# KiCad board IMU-2X.kicad_pcb (continued)
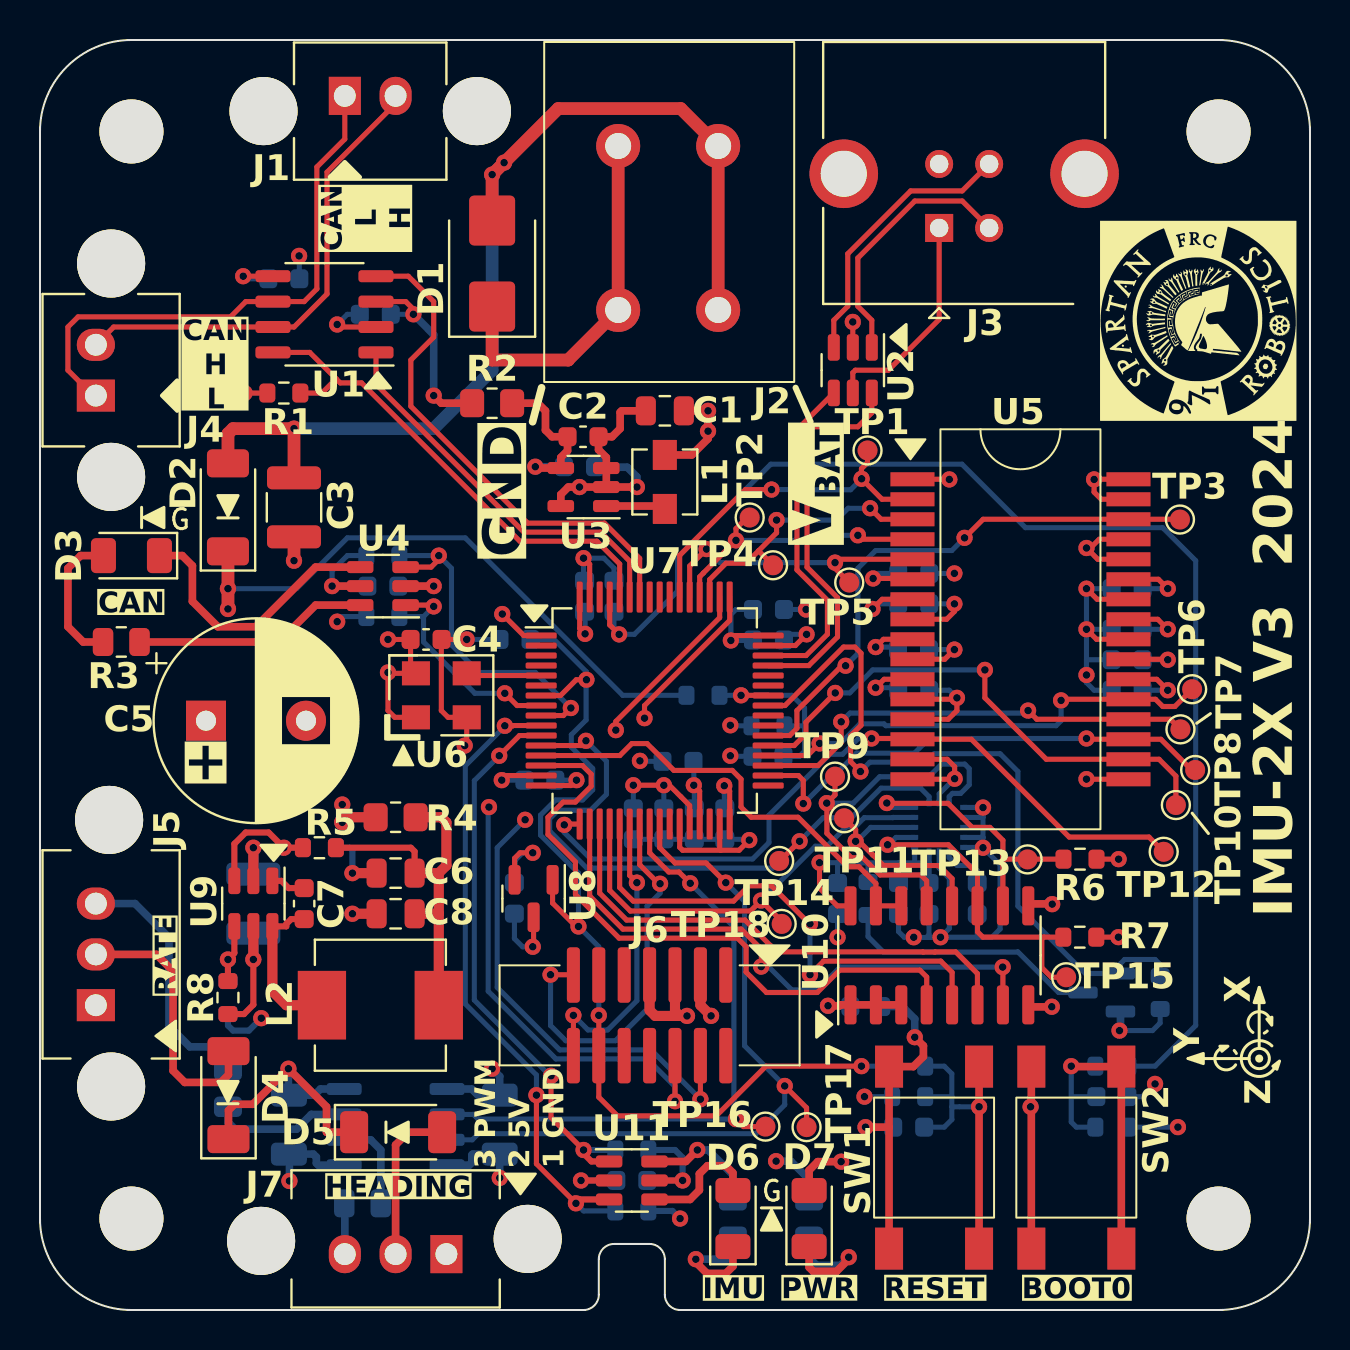
[diagram p0: board, top side]
## Footprints (pads in the part's own frame, mm; a bottom-side part is the same pattern mirrored in y, then rotated) (continued)
SOT-23
  rrect 1.475x0.6 smd: 1(-0.938,0.95) 2(-0.938,-0.95) 3(0.938,0)
SOT-23-5
  rrect 1.325x0.6 smd: 1(-1.137,0.95) 2(-1.137,0) 3(-1.137,-0.95) 4(1.137,-0.95) 5(1.137,0.95)
SOT-23-6
  rrect 1.325x0.6 smd: 1(-1.137,0.95) 2(-1.137,0) 3(-1.137,-0.95) 4(1.137,-0.95) 5(1.137,0) 6(1.137,0.95)
SW_ESWITCH_TL3301xxJ
  rect 1.4x2.1 smd: 1(-2.25,-4.55) 2(-2.25,4.55) 3(2.25,-4.55) 4(2.25,4.55)
TestPoint_Pad_D1.0mm
  round 1 smd: 1(0,0)
USB_B_TE_5787834_Vertical
  rect 1.4x1.4 hole 0.92: 1(0,0)
  round 1.4 hole 0.92: 2(-2.5,0) 3(-2.5,-3.2) 4(0,-3.2)
  round 3.429 hole 2.3: 5(-7.27,-2.71) 5(4.77,-2.71)
Wago-2604-3102
  round 2.2 hole 1.3: 1(0,0) 2(0,-5) 3(8.2,0) 4(8.2,-5)

## Nets
+3V3: C1.1 C4.1 C9.1 C12.1 C13.1 C16.1 C17.1 C18.1 C20.1 C23.1 C24.1 C27.1 C28.1 C29.1 C30.1 C37.1 C39.1 C40.1 C41.1 C44.1 J6.3 L1.1 Q1.2 R1.1 R4.1 R9.1 R15.1 R20.2 R22.1 R25.2 SW2.1 SW2.2 U1.5 U4.5 U5.6 U5.7 U5.22 U5.23 U6.1 U6.4 U7.16 U7.29 U7.32 U7.48 U7.64 U8.2 U10.1 U10.2 U10.3 U11.5 U13.1
+5V: C10.1 R2.1 U1.3
/PWM-Heading/5V_HDG: D5.2 J7.2
/PWM-Heading/5V_ISO: C42.1 D4.1 D5.1 U13.8
/PWM-Heading/5V_RATE: D4.2 J5.2
GND: C1.2 C2.2 C3.1 C4.2 C5.2 C6.2 C8.2 C9.2 C10.2 C11.2 C12.2 C13.2 C14.2 C15.2 C16.2 C17.2 C18.2 C19.2 C20.2 C21.2 C22.2 C23.2 C24.2 C25.2 C26.2 C27.2 C28.2 C29.2 C30.2 C31.2 C32.2 C33.2 C34.2 C35.2 C36.2 C37.2 C38.1 C39.2 C41.2 C43.2 C44.2 D1.1 D7.2 J2.2 J2.4 J3.4 J3.5 J6.5 J6.7 R6.2 R7.2 R10.2 R12.2 R13.1 R16.1 R21.2 R24.2 SW1.1 SW1.2 U1.2 U2.2 U3.2 U3.3 U3.5 U4.2 U5.1 U5.8 U5.10 U5.12 U5.13 U5.15 U5.16 U5.17 U5.24 U5.26 U5.28 U5.29 U5.31 U5.32 U6.2 U7.1 U7.15 U7.27 U7.31 U7.47 U7.63 U8.3 U9.2 U10.8 U10.9 U11.2 U12.7 U12.9 U12.10 U12.11 U12.12 U12.13 U12.15 U13.4
GND2: C42.2 J5.1 J7.1 U13.5
/CAN_H: J1.2 J4.2 U1.7
/CAN_L: J1.1 J4.1 U1.6
/FDCAN_RX: U1.4 U7.58
/FDCAN_STBY: R1.2 U1.8 U7.60
/FDCAN_TX: U1.1 U7.59
/FSYNC_TDK: TP9.1 U10.13 U12.8
/FSYNC_TDK_ST: U7.14 U10.4
/INT_TDK: TP14.1 U7.12 U12.6
/LED1_GRN: R10.1 U4.1 U7.8
/LED1_RED: R9.2 U4.3 U7.9
/LED2_GRN: R24.1 U7.10 U11.3
/LED2_RED: R22.2 U7.11 U11.1
/MISO_DUE: TP5.1 U5.5 U7.53
/MISO_TDK: TP18.1 U7.20 U12.4
/MISO_UNO: TP6.1 U5.21 U7.36
/MOSI_DUE: TP1.1 U5.2 U7.54
/MOSI_TDK: TP11.1 U10.12 U12.3
/MOSI_TDK_ST: U7.21 U10.5
/MOSI_UNO: TP10.1 U5.18 U7.37
/Power Supply/V_{BAT_MON}: C5.1 C38.2 D2.1 R8.2 R11.1 U9.5
/PWM_HEADING: TP17.1 U7.25 U13.3
/PWM_RATE: TP16.1 U7.24 U13.2
/SCK_DUE: TP2.1 U5.4 U7.52
/SCK_TDK: R7.1 TP15.1 U10.11 U12.2
/SCK_TDK_ST: U7.19 U10.6
/SCK_UNO: TP7.1 U5.20 U7.35
/ST_USB_D+: U2.4 U7.46
/ST_USB_D-: U2.6 U7.45
/T_SWCLK: J6.6 U7.50
/T_SWDIO: J6.4 U7.49
/T_VCP_RX: J6.13 U7.23
/T_VCP_TX: J6.14 U7.22
/TDK_PWR_EN: Q1.1 R15.2 U7.41
/USB_D+: J3.3 U2.3
/USB_D-: J3.2 U2.1
/V_{BAT}: C3.2 D1.2 D2.2 J2.1 J2.3
/~{CS_DUE}: TP4.1 U5.3 U7.51
/~{CS_TDK_ST}: U7.18 U10.7
/~{CS_TDK}: R6.1 TP13.1 U10.10 U12.5
/~{CS_UNO}: TP8.1 U5.19 U7.34
/~{RESET_DUE}: TP3.1 U5.30 U7.38
/~{RESET_UNO}: TP12.1 U5.14 U7.17
/~{T_NRST}: C21.1 J6.12 R18.2 U7.7 U8.1
/~{TDK_EN}: U7.13 U10.14 U10.15
Net-(C6-Pad1): C6.1 C8.1 L2.2 R4.2 R5.2
Net-(C40-Pad2): C40.2 R17.1 R21.1 SW2.3 SW2.4
Net-(C43-Pad1): C43.1 R18.1 R20.1 SW1.3 SW1.4
Net-(D3-AK): D3.2 R3.1
Net-(D3-KA): D3.1 U4.4
Net-(D6-AK): D6.2 U11.4
Net-(D6-KA): D6.1 R26.1
Net-(D7-KA): D7.1 R25.1
Net-(J3-VBUS): J3.1 U2.5
Net-(J5-Pin_3): J5.3 R19.1
Net-(J7-Pin_3): J7.3 R23.1
Net-(Q1-D): Q1.3 R14.2
Net-(R3-Pad2): R3.2 U4.6
Net-(R19-Pad2): R19.2 U13.7
Net-(R23-Pad2): R23.2 U13.6
Net-(R26-Pad2): R26.2 U11.6
Net-(U3-SW): L1.2 U3.1
Net-(U3-VOUT): C2.1 C11.1 R2.2 U3.4
Net-(U5-VDDA-DUE): C14.1 U5.27
Net-(U5-VDDA-UNO): C25.1 U5.11
Net-(U5-VDDD-DUE): C22.1 U5.9
Net-(U5-VDDD-UNO): C19.1 U5.25
Net-(U6-OUT): U6.3 U7.5
Net-(U7-PA8/ADC5_IN1): C26.1 R11.2 R12.1 U7.42
Net-(U7-PB8/BOOT0): C15.1 R17.2 U7.61
Net-(U7-VREF+/VREFBUF_OUT): C31.1 C32.1 U7.28
Net-(U9-CB): C7.1 U9.1
Net-(U9-EN): R8.1 R16.2 U9.4
Net-(U9-FB): R5.1 R13.2 U9.3
Net-(U9-SW): C7.2 L2.1 U9.6
Net-(U10-VCCB): C34.1 C35.1 C36.1 R14.1 U10.16 U12.1 U12.16
Net-(U12-REGOUT): C33.1 U12.14

Pads without a net: J6 1 2 8 9 10 11; U7 2 3 4 6 26 30 33 39 40 43 44 55 56 57 62

## Via types
v1: diameter 0.813, hole 0.381, Top to Bottom, 168 vias

## Routing (per net, layer and track width the routed paths; a pad name or vN(x,y) marks a point on that pad's centre or on a via; arc(x,y) is an arc through that point)
+3V3: length 99.1
  Top w0.254: U5.22 55.84,31.54 v1(56.39,30.99) ; v1(41.63,35.05) 42.11,35.54 U5.7 ; U7.29 32.98,25.94 v1(32.69,26.24) ; U5.6 43.58,36.58 v1(41.66,36.58) ; v1(17.4,33.53) C4.1 18.53,32.1 U6.4 17.44,31.83 v1(17.4,31.88) 17.4,29.97 17.74,29.63 U6.1 ; v1(10.23,45.85) R1.1 ; U1.5 v1(10.16,51.69) ; v1(26.82,26.49) 26.55,26.22 U7.16 ; U5.23 56.36,32.54 v1(56.39,32.51) ; v1(34.21,26.21) 34.48,25.94 U7.32 ; U8.2 23.73,22.59 24,22.86 v1(24.64,22.86) ; v1(34.54,33.48) 34.79,33.72 U7.48 ; U7.64 26.98,34.08 v1(27.25,33.81)
  Top w0.305: U11.5 v1(32.13,6.48)
  Top w0.381: v1(39.4,15.21) 39.98,15.21 40.02,15.26 43.07,15.26 ; L1.1 32.59,42.75 33.4,43.56 v1(33.4,43.94) v1(33.4,44.96) C1.1 ; SW2.1 49.57,10.12 v1(49.53,10.16) 49.57,10.2 SW2.2 ; U4.5 v1(14.61,36.2)
  Top w0.508: v1(33.55,14.71) 33.02,15.24 J6.3 ; v1(15.11,25.27) v1(15.11,24.38) 15.37,24.64 R4.1
  Bottom w0.254: v1(27.25,33.81) 27.25,34.89 C16.1 ; C20.1 35.62,33.48 v1(34.54,33.48) 34.54,34.77 34.8,35.03 C18.1 ; v1(10.16,51.69) 10.29,51.56 11.42,51.56 ; v1(14.61,36.2) 14.61,36.96 15.37,37.72 R9.1 ; v1(34.21,26.21) 34.21,25.08 ; v1(55.75,11.3) 55.12,10.67 C40.1 ; C30.1 32.72,26.21 v1(32.69,26.24) 32.69,27.42 C27.1 ; v1(53.98,13.97) 55.63,13.97 56.01,14.35 R15.1 ; v1(24.64,22.86) 24.13,22.86 23.75,22.48 23.75,21.4 C37.1 ; v1(56.39,30.99) C24.1 ; v1(41.66,36.58) 41.91,36.83 C12.1 ; v1(41.22,10.67) R20.2 ; v1(41.63,35.05) 41.88,35.31 C17.1 ; C28.1 v1(26.82,26.49) ; v1(56.39,32.51) C23.1
  Bottom w0.305: C13.1 v1(14.61,36.2) ; R22.1 31.75,8 32.13,7.62 v1(32.13,6.48) C44.1
  Bottom w0.381: C39.1 40.48,15.21 v1(39.4,15.21) ; v1(36.8,7.44) 37.54,7.44 38.46,6.53 R25.2 ; U13.1 21.59,11.05 21.89,10.75 C41.1 22.99,11.68 v1(22.61,12.07) ; Q1.2 54.02,14.02 v1(53.98,13.97)
+5V: length 10
  Top w0.254: v1(18.67,49.78) 18.67,50.04 18.29,50.42 U1.3
  Top w0.381: R2.1 20.07,45.34 v1(19.69,45.72)
  Bottom w0.254: C10.1 v1(18.67,49.78)
  Bottom w0.381: v1(18.67,49.78) 19.69,48.77 v1(19.69,45.72)
/PWM-Heading/5V_HDG: length 8.1
  Top w0.381: D5.2 18.42,8.89 17.78,8.26 J7.2
/PWM-Heading/5V_ISO: length 14.9
  Top w0.381: D5.1 14.33,8.89 14.33,10.16 v1(12.42,12.07) 10.64,10.29 9.73,10.29 9.42,9.98 D4.1
  Bottom w0.381: U13.8 14.02,11.05 13.72,10.74 12.45,10.74 C42.1 12.42,10.77 v1(12.42,12.07)
/PWM-Heading/5V_RATE: length 13.5
  Top w0.381: D4.2 9.42,11.76 9.04,11.38 7.24,11.38 6.65,11.96 6.65,16.94 5.82,17.78 J5.2
GND: length 216.3
  Top w0.254: v1(27.18,37.59) 27.48,37.29 U7.63 ; U5.15 45.36,27.54 45.73,27.17 v1(45.73,26.56) 45.7,26.54 U5.16 ; v1(21.34,33.53) 20.08,33.53 20.07,33.52 20.07,29.97 20.4,29.63 U6.2 21.34,28.32 v1(21.23,28.22) ; v1(52.32,26.54) 52.33,26.54 U5.17 ; U5.29 52.96,38.54 52.52,38.1 v1(52.32,38.1) 52.89,37.54 U5.28 ; U7.1 24.19,33.72 v1(23.11,34.8) ; v1(52.32,36.07) 52.86,35.54 U5.26 ; v1(45.72,35.31) 45.72,34.93 45.33,34.54 U5.8 ; U2.2 v1(40.64,49.4) ; v1(52.32,34.04) 52.82,33.54 U5.24 ; U5.31 53.06,40.54 52.71,40.89 v1(52.71,41.53) 52.71,41.54 U5.32 ; v1(38.33,33.78) 37.77,33.22 U7.47 ; R7.2 v1(53.92,18.64) ; v1(14.86,49.28) 14.99,49.15 U1.2 ; 34.04,22.99 32.13,22.99 31.98,23.13 U7.27 ; 34.04,22.99 33.98,23.04 U7.31 ; 34.04,22.99 34.96,22.99 v1(35.46,23.5) ; R6.2 v1(53.93,22.54) ; v1(45.72,33.02) 45.24,32.54 U5.10 ; U5.13 45.41,29.54 45.85,29.97 v1(45.85,30.61) 45.78,30.54 U5.12 ; v1(24.64,18.16) 24.68,18.2 U8.3 ; U7.15 23.32,26.72 v1(23.09,26.49) ; v1(45.47,41.53) 45.46,41.54 U5.1
  Top w0.305: U11.2 v1(27.05,6.48)
  Top w0.381: v1(40.06,7.42) 38.89,7.42 38.46,6.99 D7.2 ; C1.2 29.08,44.96 29.01,44.88 29.01,44.07 28.6,43.66 C2.2 27.93,43.01 28.32,42.63 U3.3 U3.2 ; 42.45,9.14 SW1.1 ; 42.45,9.14 v1(41.28,9.14) ; 42.45,9.14 SW1.2 43.67,12.17 44.17,12.67 44.17,13.21 v1(43.74,13.64) ; 49.42,20.31 50.6,20.31 v1(50.61,20.29) ; U3.2 v1(26.97,41.15) 26.42,41.15 26.04,40.77 U3.5 ; U3.2 v1(29.85,41.15) ; v1(50.59,15.16) 50.59,15.16 49.42,15.16 ; U4.2 v1(19.69,36.2)
  Top w0.508: J6.7 30.48,14.99 30.76,14.7 v1(32.35,14.7) 31.99,14.7 31.75,14.94 J6.5 ; U9.2 v1(10.67,23.11) ; C6.2 v1(15.62,21.84) ; C8.2 v1(15.62,19.81)
  Top w0.635: J2.2 J2.4 26.42,47.51 26.42,47.5 22.61,47.5 D1.1 ; C3.1 v1(12.7,37.47)
  Bottom w0.254: v1(34.52,27.71) 34.54,27.69 C26.2 ; 47.15,24.64 v1(47.15,25.12) 47.14,25.13 U12.9 ; 47.15,24.64 47.14,24.63 U12.10 ; 47.15,24.64 47.15,24.13 ; 44.32,18.63 44.45,18.75 C34.2 ; 44.32,18.63 43.7,18.63 v1(43.69,18.64) 43.21,18.64 42.93,18.92 C35.2 ; 44.32,18.63 45.01,18.63 v1(45.02,18.64) ; C17.2 v1(45.72,35.31) ; v1(12.95,52.71) 12.97,52.69 C9.2 ; v1(30,27.46) 30.02,27.43 C27.2 ; C20.2 37.48,33.78 v1(38.33,33.78) ; v1(52.32,34.04) v1(52.32,36.07) C14.2 ; v1(52.32,34.04) C19.2 ; v1(52.32,34.04) v1(52.32,31.75) ; C15.2 28.7,37.08 28.19,37.59 v1(27.18,37.59) 27.18,36.51 C16.2 ; U12.15 44.96,22.09 45.47,21.59 45.47,19.08 v1(45.02,18.64) ; C10.2 15.37,49.78 v1(14.86,49.28) ; v1(34.52,29.24) 34.54,29.21 R12.2 ; 47.15,23.62 47.14,23.63 U12.12 ; 47.15,23.62 47.15,24.13 ; 47.15,23.62 v1(47.15,23.11) ; C33.2 46.86,18.64 ; 46.86,18.64 v1(45.02,18.64) ; 46.86,18.64 47.59,18.64 48.01,19.05 48.01,22.26 v1(47.15,23.11) ; v1(45.73,26.56) 45.72,26.56 44.96,25.81 U12.7 ; C24.2 52.71,30.99 52.32,31.37 v1(52.32,31.75) ; C43.2 v1(41.28,9.14) ; v1(52.32,31.75) 52.32,32.51 C23.2 ; C21.2 v1(21.34,33.53) ; C37.2 23.72,18.57 24.13,18.16 v1(24.64,18.16) ; v1(47.15,23.11) 47.13,23.13 U12.13 ; C32.2 C31.2 C30.2 C29.2 ; C25.2 45.47,30.99 v1(45.85,30.61) ; v1(35.46,23.5) 35.43,23.53 34.21,23.53 ; C18.2 v1(38.3,35.03) ; v1(23.09,26.49) C28.2 ; C36.2 v1(39.88,18.64) ; 47.15,24.13 U12.11 ; C12.2 v1(45.72,36.83) ; v1(45.72,33.02) C22.2 ; R10.2 15.11,34.67 v1(14.86,34.42) ; R21.2 v1(56.9,9.14)
  Bottom w0.305: C13.2 v1(19.69,36.2) ; v1(32,4.57) 31.62,4.95 R24.2 ; v1(11.06,14.59) 10.44,13.97 9.65,13.97 9.4,14.22 R16.1 ; v1(27.05,6.48) C44.2 ; v1(15.62,21.84) 15.62,22.99 15.49,23.11 R13.1
  Bottom w0.381: C39.2 43.12,15.17 43.74,14.55 v1(43.74,13.64) ; U13.4 21.46,7.24 21.59,7.37 21.59,7.75 21.64,7.8 C41.2 v1(22.99,6.6) ; v1(29.85,41.15) 29.85,41.66 29.36,42.14 27.75,42.14
  Bottom w0.508: v1(10.67,23.11) C38.1
GND2: length 4.5
  Bottom w0.381: U13.5 13.92,7.24 13.82,7.34 13.82,7.65 13.67,7.8 C42.2 12.47,7.77 v1(12.47,6.45)
/CAN_H: length 23.9
  Top w0.254: J1.2 17.78,60.32 14.35,56.89 14.35,50.8 12.7,49.15 U1.7 3.68,49.15 J4.2
/CAN_L: length 27.5
  Top w0.254: J4.1 2.67,45.72 1.4,46.99 1.4,49.15 1.91,49.66 9.53,49.66 10.29,50.42 U1.6 13.21,50.42 13.84,51.05 13.84,57.15 15.24,58.55 J1.1
/FDCAN_RX: length 25.6
  Top w0.254: U1.4 18.42,51.69 19.69,50.42 19.69,48.64 18.54,47.5 18.54,45.19 24.38,39.34 28.22,39.34 29.98,37.58 U7.58
/FDCAN_STBY: length 25.5
  Top w0.254: U7.60 28.98,37.3 27.84,38.44 23.99,38.44 16.08,46.36 15.01,46.36 14.81,46.56 ; 13.02,45.85 14.1,45.85 14.81,46.56 ; 14.81,46.56 13.49,47.88 U1.8
/FDCAN_TX: length 19.7
  Top w0.254: U7.59 29.48,37.44 28.03,38.89 24.2,38.89 16.8,46.29 U1.1
/FSYNC_TDK: length 20.5
  Top w0.254: TP9.1 39.75,25.76 v1(39.34,25.34) 39.34,25.34 39.34,23.84 40.57,22.61 41.14,22.61 41.45,22.3 41.46,22.3 42.01,21.75 44.04,21.75 44.34,21.46 44.34,20.31
  Bottom w0.254: v1(39.34,25.34) 40.66,25.34 41.98,26.66 44.44,26.66 45.07,27.29 46.24,27.29 46.46,27.07 46.46,26.26 46.03,25.83 45.62,25.83 45.46,25.67 U12.8
/FSYNC_TDK_ST: length 32.9
  Top w0.254: 44.34,15.16 44.34,16.65 43.99,16.99 39.98,16.99 38.86,15.88 36.32,15.88 35.31,16.89 35.31,18.16 34.87,18.59 28.96,18.59 26.77,20.78 26.77,22.4 25.4,23.77 25.4,24.64 26.16,25.4 26.77,25.4 27.56,26.19 27.56,26.79 27.13,27.22 25.06,27.22 U7.14
/INT_TDK: length 32.7
  Top w0.254: v1(27.3,28.46) 27.06,28.22 U7.12 ; TP14.1 37,22.45 v1(37.98,23.44)
  Bottom w0.254: U12.6 44.46,25.66 44.03,26.09 42.05,26.09 40.58,24.62 40.13,24.62 40.13,24.61 39.16,24.61 36.64,22.1 27.34,22.1 25.48,23.95 25.48,24.56 25.91,24.99 27.53,24.99 28.32,25.78 28.32,27.44 v1(27.3,28.46)
/LED1_GRN: length 11.8
  Top w0.254: U4.1 19.62,35.25 v1(19.69,35.18) ; U7.8 23.86,30.22 v1(23.24,30.84)
  Bottom w0.254: 19.18,34.67 19.18,33.4 21.74,30.84 v1(23.24,30.84) ; 19.18,34.67 R10.1 ; 19.18,34.67 v1(19.69,35.18)
/LED1_RED: length 17.6
  Top w0.254: U7.9 26.17,29.72 v1(26.54,30.1) ; U4.3 19.56,37.15 19.94,37.53 v1(19.94,37.72)
  Bottom w0.254: R9.2 v1(19.94,37.72) 20.57,37.08 20.57,33.26 21.95,31.88 24.77,31.88 v1(26.54,30.1)
/LED2_GRN: length 32.7
  Top w0.254: U7.10 23.66,29.22 23.65,29.21 v1(23.24,29.21) ; v1(24.82,10.74) 24.82,7.31 v1(26.8,5.33)
  Top w0.305: v1(26.8,5.33) 26.99,5.53 U11.3
  Bottom w0.254: v1(24.82,10.74) 24.82,11.75 21.26,15.31 21.26,27.21 23.24,29.18 v1(23.24,29.21) ; R24.1 27.18,4.95 v1(26.8,5.33)
/LED2_RED: length 28.2
  Top w0.254: v1(27.18,8) 25.55,9.63 v1(25.55,11.71) ; U7.11 23.97,28.72 v1(22.96,27.71)
  Top w0.305: U11.1 27.57,7.43 27.18,7.82 v1(27.18,8)
  Bottom w0.254: v1(25.55,11.71) 25.5,11.71 21.72,15.49 21.72,26.47 v1(22.96,27.71)
  Bottom w0.305: R22.2 v1(27.18,8)
/MISO_DUE: length 14.7
  Top w0.254: TP5.1 39.75,37.08 v1(39.75,37.37) 39.92,37.54 U5.5 ; v1(33.33,38.05) 32.48,37.2 U7.53
  Bottom w0.254: v1(33.33,38.05) 34.01,37.37 v1(39.75,37.37)
/MISO_TDK: length 22.5
  Top w0.254: TP18.1 37.08,19.44 v1(36.05,20.47) 35.53,19.95 29.52,19.95 28.48,20.98 U7.20
  Bottom w0.254: v1(36.05,20.47) 38.77,23.19 39.34,23.19 40.32,24.17 40.76,24.17 41.22,24.62 42.65,24.62 42.66,24.63 U12.4
/MISO_UNO: length 23.5
  Top w0.254: v1(51.05,30.48) 51.11,30.54 U5.21 55.78,30.54 56.14,30.18 56.74,30.18 TP6.1 ; U7.36 38.37,27.72 v1(38.98,28.33)
  Bottom w0.254: v1(38.98,28.33) 40.01,28.33 40.99,29.31 42.2,29.31 42.29,29.21 50.8,29.21 51.05,29.46 v1(51.05,30.48)
/MOSI_DUE: length 17.3
  Top w0.254: v1(36.58,41.02) 35.27,41.02 31.98,37.74 U7.54 ; U5.2 42.1,40.54 v1(41.08,41.56) 41.07,41.57 41.07,42.06 41.38,42.37 TP1.1
  Bottom w0.254: v1(36.58,41.02) 37.72,41.02 37.73,41.01 40.53,41.01 v1(41.08,41.56)
/MOSI_TDK: length 11.5
  Top w0.254: 45.61,20.31 45.61,21.57 44.95,22.22 44.25,22.22 44.24,22.23 42.16,22.23 41.65,22.75 41.64,22.75 40.96,23.43 v1(40.78,23.43) 40.78,24.01 TP11.1
  Bottom w0.254: U12.3 41.53,24.13 40.84,23.43 v1(40.78,23.43)
/MOSI_TDK_ST: length 26
  Top w0.254: v1(38.5,16.77) 39.18,17.44 45.04,17.44 45.61,16.88 45.61,15.16 ; v1(38.5,19.31) 38.47,19.31 36.58,21.21 35.44,21.21 34.68,20.45 29.66,20.45 28.98,21.12 U7.21
  Bottom w0.254: v1(38.5,19.31) v1(38.5,16.77)
/MOSI_UNO: length 26.8
  Top w0.254: U7.37 37.71,28.22 38.3,28.81 38.3,29.39 v1(39.76,30.85) ; TP10.1 56.79,26.7 55.95,27.54 U5.18 50.32,27.54 47.24,30.61 v1(47.24,32)
  Bottom w0.254: v1(47.24,32) 41.64,32 40.49,30.85 v1(39.76,30.85)
/Power Supply/V_{BAT_MON}: length 36.8
  Top w0.305: R8.2 10.2,14.8 10.67,15.27 v1(10.67,17.53)
  Top w0.508: U9.5 v1(10.67,17.53)
  Top w0.635: D2.1 v1(9.4,35.05)
  Bottom w0.254: v1(9.4,36.07) 12.83,36.07 15.37,38.61 21.26,38.61 29.13,30.73 R11.1
  Bottom w0.508: C38.2 v1(10.67,17.53)
/PWM_HEADING: length 37.7
  Top w0.254: v1(34.29,21.37) 33.31,22.35 31.75,22.35 30.98,23.12 U7.25 ; v1(37.24,11.2) 38.33,10.11 TP17.1
  Bottom w0.254: v1(34.29,21.37) 35.23,20.43 35.23,13.21 v1(37.24,11.2) 37.24,10.26 35.79,8.81 21.92,8.81 21.62,8.51 U13.3
/PWM_RATE: length 33
  Top w0.254: U7.24 30.48,22.86 31.44,21.9 31.95,21.9 v1(32.51,21.34) ; TP16.1 35.17,9.17 v1(34.8,9.54)
  Bottom w0.254: v1(32.51,21.34) 34.7,19.15 34.7,9.65 v1(34.8,9.54) 33.71,9.54 33.71,9.55 21.89,9.55 21.67,9.78 U13.2
/SCK_DUE: length 14.1
  Top w0.254: U5.4 41.09,38.54 v1(40.89,38.74) ; TP2.1 35.36,39.62 34.8,39.07 v1(34.8,38.48) 33.17,36.85 33.17,36.85 32.98,36.66 U7.52
  Bottom w0.254: v1(40.89,38.74) 39.62,38.74 39.37,38.48 v1(34.8,38.48)
/SCK_TDK: length 16.8
  Top w0.254: TP15.1 50.57,16.64 50.09,17.12 50.09,18.54 50.19,18.64 ; 50.19,18.64 R7.1 ; 50.19,18.64 47.14,18.64 46.88,18.91 U10.11 ; 46.88,20.31 46.88,21.81 45.42,23.26 v1(42.38,23.26)
  Bottom w0.254: U12.2 42.8,23.63 42.43,23.26 v1(42.38,23.26)
/SCK_TDK_ST: length 25.7
  Top w0.254: 46.87,15.16 46.87,16.82 45.79,17.91 44.76,17.91 44.75,17.9 44.15,17.9 44.14,17.91 36.83,17.91 36.52,18.22 36.52,18.23 35.25,19.5 29.33,19.5 27.98,20.84 U7.19
/SCK_UNO: length 22.7
  Top w0.254: TP7.1 56.52,29.54 U5.20 49.84,29.54 v1(49.4,29.97) ; U7.35 38.91,27.22 40.06,28.38 v1(40.06,29.41)
  Bottom w0.254: v1(40.06,29.41) 40.5,29.85 49.28,29.85 v1(49.4,29.97)
/ST_USB_D+: length 16.9
  Top w0.254: U2.4 37.85,44.01 37.85,37.01 39.37,35.48 39.37,33.79 38.3,32.72 U7.46
/ST_USB_D-: length 19.6
  Top w0.254: U7.45 36.41,32.22 38.44,32.22 39.88,33.66 39.88,35.62 38.35,37.14 38.35,43.88 38.64,44.16 40.89,44.16 41.59,44.86 U2.6
/T_SWCLK: length 40.3
  Top w0.254: v1(31.75,10.44) J6.6 ; U7.50 33.98,34.62 28.79,29.43 v1(28.79,28.99)
  In2.Cu w0.254: v1(22.45,25.15) 23.46,25.15 26,27.69 27.56,27.69 28.79,28.92 v1(28.79,28.99)
  Bottom w0.254: v1(22.45,25.15) 22.41,25.11 22.41,15.94 25.8,12.55 30.37,12.55 31.75,11.17 v1(31.75,10.44)
/T_SWDIO: length 40.1
  Top w0.254: v1(33.02,10.54) J6.4 ; v1(30.23,29.59) 30.23,30.22 34.48,34.48 U7.49
  In2.Cu w0.254: v1(24.26,24.51) 24.26,25.31 26.19,27.23 28.07,27.23 30.23,29.39 v1(30.23,29.59)
  Bottom w0.254: v1(24.26,24.51) 22.86,23.11 22.86,16.13 25.98,13 30.56,13 v1(33.02,10.54)
/T_VCP_RX: length 19.5
  Top w0.254: v1(25.53,16.76) 26.65,16.76 J6.13 ; U7.23 29.98,22.26 30.93,21.31 v1(31,21.31)
  Bottom w0.254: v1(25.53,16.76) 25.53,14.22 26.29,13.46 28.77,13.46 30.35,15.04 30.35,20.19 31,20.84 v1(31,21.31)
/T_VCP_TX: length 15.1
  Top w0.254: U7.22 29.48,21.73 v1(29.85,21.37) ; v1(26.67,14.73) J6.14
  Bottom w0.254: v1(29.85,21.37) 29.85,15.47 28.38,14 27.4,14 v1(26.67,14.73)
/TDK_PWR_EN: length 37.4
  Top w0.254: U7.41 37.25,30.22 40.17,33.15 40.75,33.15 41.05,32.84 41.05,29.23 40.53,28.71 40.53,27.42 v1(41.02,26.92)
  Bottom w0.254: R15.2 56.01,17.27 55.75,17.53 54.23,17.53 54.02,17.32 54.02,16.83 52.26,16.83 48.9,20.19 48.9,26.92 48.01,27.81 44.7,27.81 44.28,27.39 41.49,27.39 v1(41.02,26.92)
/USB_D+: length 13.9
  Top w0.254: J3.3 46.11,55.95 43.53,55.95 40.39,52.81 40.39,50.19 39.69,49.49 U2.3
/USB_D-: length 13.1
  Top w0.254: J3.2 46.11,55.45 43.74,55.45 40.89,52.6 40.89,50.19 41.59,49.49 U2.1
/V_{BAT}: length 53
  Top w0.635: D2.2 9.4,43.82 9.65,44.07 v1(12.7,44.07) 12.7,41.61 ; J2.3 J2.1 32.04,60.07 25.91,60.07 v1(22.61,56.77) D1.2
  Bottom w0.635: v1(12.7,44.07) 19.69,44.07 22.61,46.99 v1(22.61,56.77) v1(23.2,57.37)
/~{CS_DUE}: length 14.1
  Top w0.254: U5.3 42.06,39.54 v1(41.51,40.09) ; 35.93,37.96 36.83,38.86 v1(36.83,39.5) ; 35.93,37.96 35.31,37.34 34.3,37.34 33.48,36.52 U7.51 ; 35.93,37.96 TP4.1
  Bottom w0.254: v1(36.83,39.5) 39.82,39.5 40.41,40.09 v1(41.51,40.09)
/~{CS_TDK_ST}: length 29.1
  Top w0.254: U7.18 27.48,20.7 29.14,19.04 35.06,19.04 36.07,18.04 36.07,17.18 v1(36.06,17.17) ; 48.15,15.26 48.15,17.13 v1(48.13,17.15)
  Bottom w0.254: v1(36.06,17.17) 36.42,17.17 37.59,16 38.86,16 40.01,17.15 v1(48.13,17.15)
/~{CS_TDK}: length 14.3
  Top w0.254: v1(42.34,25.35) 42.36,25.33 45.41,25.33 46.61,24.13 47.5,24.13 48.15,23.48 48.15,22.53 ; 48.15,22.53 48.15,20.31 ; 48.15,22.53 48.16,22.54 51.18,22.54
  Bottom w0.254: v1(42.34,25.35) 42.56,25.13 U12.5
/~{CS_UNO}: length 24.6
  Top w0.254: v1(38.17,25.32) 38.17,26.48 37.92,26.72 U7.34 ; TP8.1 57.58,27 56.05,28.54 U5.19 52.36,28.54 v1(52.32,28.58)
  Bottom w0.254: v1(38.17,25.32) 38.17,25.32 39.47,26.62 39.6,26.62 40.83,27.84 43.72,27.84 44.45,28.58 v1(52.32,28.58)
/~{RESET_DUE}: length 28.1
  Top w0.254: v1(40.28,32.21) 40.09,32.21 37.85,29.97 37.85,29.08 37.49,28.72 U7.38 ; v1(46.23,38.61) 47.16,39.54 U5.30 56.98,39.54 TP3.1
  Bottom w0.254: v1(40.28,32.21) 40.89,32.83 40.89,37.08 41.78,37.97 45.59,37.97 v1(46.23,38.61)
/~{RESET_UNO}: length 37.3
  Top w0.254: U7.17 26.25,24.3 v1(26.21,24.26) ; TP12.1 55.45,23.65 51.46,23.65 46.57,28.54 U5.14 43.58,28.58 v1(41.58,28.58)
  Bottom w0.254: v1(26.21,24.26) 26.21,23.88 27.54,22.55 35.63,22.55 36.45,23.37 36.45,24.74 39.5,27.79 40.13,27.79 40.92,28.58 v1(41.58,28.58)
/~{T_NRST}: length 50.2
  Top w0.254: v1(41.07,12.19) 36.3,12.19 33.81,9.71 28.87,9.71 27.94,10.64 J6.12 v1(27.94,14.73) ; U7.7 26.02,30.72 26.81,31.51 v1(27.32,31.51) ; v1(26.92,19.18) 26.8,19.18 25.63,20.34 U8.1
  Bottom w0.254: C21.1 25.7,33.53 27.32,31.91 v1(27.32,31.51) 27.31,31.5 27.31,29.5 26.57,28.76 26.57,28.14 27.64,27.08 27.64,26.01 27.13,25.5 25.78,25.5 25.03,24.75 25.03,23.74 26.92,21.84 v1(26.92,19.18) 27.94,18.16 v1(27.94,14.73) ; v1(41.07,12.19) R18.2
/~{TDK_EN}: length 23
  Top w0.254: 41.8,20.31 41.8,21.32 41.28,21.84 41.27,21.84 40.95,22.16 40.38,22.16 37.9,24.64 35.56,24.64 35.05,25.15 35.05,26.54 34.62,26.98 31.69,26.98 30.35,28.32 29.59,28.32 28.99,27.72 U7.13 ; U10.14 U10.15
Net-(C6-Pad1): length 18.5
  Top w0.305: C6.1 18.73,22.93 18.54,23.11 R5.2
  Top w0.508: L2.2 19.94,19.81 ; 19.94,19.81 19.94,21.84 ; 19.94,19.81 C8.1 ; 19.94,21.84 C6.1 ; 19.94,21.84 20.32,22.23 20.32,24.38 20.07,24.64 R4.2
Net-(C40-Pad2): length 18.2
  Top w0.381: SW2.3 SW2.4 51.58,12.17 v1(51.56,12.19)
  Bottom w0.254: 51.56,10.67 v1(51.56,12.19) R17.1 ; 51.56,10.67 C40.2 ; 51.56,10.67 51.56,9.4 51.82,9.14 R21.1
Net-(C43-Pad1): length 17.1
  Top w0.381: SW1.4 v1(46.95,10.16) SW1.3
  Bottom w0.254: 45.59,10.16 v1(46.95,10.16) ; 45.59,10.16 45.59,10.67 ; 45.59,10.16 45.59,9.53 45.21,9.14 C43.1 ; 45.59,10.67 R20.1 ; 45.59,10.67 45.59,11.81 45.21,12.19 R18.1
Net-(D3-AK): length 7
  Top w0.381: R3.1 2.16,33.4 1.4,34.16 1.4,37.08 2.03,37.72 D3.2
Net-(D3-KA): length 13.8
  Top w0.381: U4.4 13.78,37.15 10.8,34.16 8.89,34.16 7.62,35.43 7.62,37.21 7.11,37.72 D3.1
Net-(D6-AK): length 6.1
  Top w0.381: D6.2 34.65,6.86 34.29,7.21 33.38,7.21 32.97,6.81 32.97,5.99 32.5,5.53 U11.4
Net-(D6-KA): length 6.2
  Top w0.381: v1(32.79,2.54) 32.79,2.39 33.35,1.83 34.29,1.83 34.65,2.18 D6.1
  Bottom w0.381: R26.1 34.65,2.84 34.34,2.54 v1(32.79,2.54)
Net-(D7-KA): length 6.8
  Top w0.381: D7.1 38.46,2.13 38.66,1.93 39.83,1.93 40.44,2.54 v1(40.44,2.64)
  Bottom w0.381: R25.1 38.46,2.62 38.84,2.24 40.03,2.24 v1(40.44,2.64)
Net-(J3-VBUS): length 11
  Top w0.254: J3.1 44.96,49.53 42.42,46.99 40.77,46.99 40.64,46.86 U2.5
Net-(J5-Pin_3): length 13.1
  Bottom w0.381: J5.3 4.75,20.32 6.45,18.62 6.45,14.2 7.49,13.16 8.99,13.16 9.4,12.75 R19.1
Net-(J7-Pin_3): length 2.5
  Bottom w0.381: J7.3 15.24,5.31 R23.1
Net-(Q1-D): length 13
  Bottom w0.254: R14.2 41.4,18.67 42.17,17.9 48.88,17.9 48.9,17.91 50.93,15.88 Q1.3
Net-(R3-Pad2): length 11.8
  Top w0.381: R3.2 11.94,33.4 13.78,35.25 U4.6
Net-(R19-Pad2): length 7
  Bottom w0.381: U13.7 13.56,9.78 12.83,9.04 9.75,9.04 9.4,9.4 R19.2
Net-(R23-Pad2): length 4.7
  Bottom w0.381: U13.6 16.54,8.51 17.04,8 R23.2
Net-(R26-Pad2): length 5.9
  Top w0.381: U11.6 32.29,7.43 v1(32.87,8)
  Bottom w0.381: v1(32.87,8) 33.4,8 34.65,6.76 R26.2
Net-(U3-SW): length 3
  Top w0.381: L1.2 31.1,40.2 U3.1
Net-(U3-VOUT): length 8.5
  Top w0.381: v1(24.77,42.16) 24.83,42.1 U3.4 26.04,42.63 26.38,42.96 C2.1 25.6,43.66 25.27,43.99 25.27,44.96 24.89,45.34 R2.2
  Bottom w0.381: v1(24.77,42.16) 26.17,42.16 26.2,42.14
Net-(U5-VDDA-DUE): length 3.4
  Top w0.254: U5.27 55.92,36.54 v1(56.39,36.07)
  Bottom w0.254: v1(56.39,36.07) C14.1
Net-(U5-VDDA-UNO): length 3.2
  Top w0.254: U5.11 42.2,31.54 v1(41.78,31.12)
  Bottom w0.254: C25.1 42.79,31.12 v1(41.78,31.12)
Net-(U5-VDDD-DUE): length 3.2
  Top w0.254: v1(41.78,33.15) 42.17,33.54 U5.9
  Bottom w0.254: C22.1 42.77,33.15 v1(41.78,33.15)
Net-(U5-VDDD-UNO): length 3.4
  Top w0.254: U5.25 55.89,34.54 v1(56.39,34.04)
  Bottom w0.254: v1(56.39,34.04) C19.1
Net-(U6-OUT): length 3.8
  Top w0.254: U7.5 21.45,31.72 U6.3
Net-(U7-PA8/ADC5_IN1): length 10.2
  Top w0.254: v1(35.05,30.73) 36.4,30.73 U7.42
  Bottom w0.254: 38.23,29.21 38.23,30.1 37.59,30.73 v1(35.05,30.73) R11.2 ; 38.23,29.21 R12.1 ; 38.23,29.21 38.23,27.94 37.97,27.69 C26.1
Net-(U7-PB8/BOOT0): length 66.1
  Top w0.254: v1(28.96,33.78) 28.48,34.25 U7.61
  Bottom w0.254: C15.1 28.7,34.04 v1(28.96,33.78) 29.72,33.78 31.88,35.94 31.88,37.63 36.54,42.29 46.1,42.29 49.28,39.12 56.13,39.12 57.79,37.47 57.79,14.22 55.75,12.19 R17.2
Net-(U7-VREF+/VREFBUF_OUT): length 6.5
  Top w0.254: v1(29.67,26.24) v1(31.19,26.24) 31.47,26.24 32.48,25.22 U7.28
  Bottom w0.254: v1(31.19,26.24) C31.1 ; v1(29.67,26.24) C32.1
Net-(U9-CB): length 1.7
  Top w0.305: U9.1 12.07,21.46 12.43,21.1 C7.1
Net-(U9-EN): length 3.9
  Top w0.305: R8.1 v1(9.4,17.53) 9.72,17.85 U9.4
  Bottom w0.305: R8.1 v1(9.4,17.53)
Net-(U9-FB): length 6.8
  Top w0.305: R5.1 v1(12.19,23.11) 11.43,23.88 10.29,23.88 9.72,23.31 U9.3
  Bottom w0.305: R5.1 v1(12.19,23.11)
Net-(U9-SW): length 7.8
  Top w0.305: C7.2 12.56,19.55 12.31,19.3 12.31,19.18 U9.6
  Top w0.508: U9.6 11.62,15.94 12.32,15.24 L2.1
Net-(U10-VCCB): length 14
  Top w0.254: v1(38.98,22.36) 38.98,21.09 39.86,20.21 U10.16
  Bottom w0.254: 43.74,22.35 43.73,22.36 U12.1 ; 43.74,22.35 42.93,22.35 ; 43.74,22.35 44.46,22.35 ; 42.93,22.35 42.93,21.35 ; 42.93,22.35 41.4,22.35 ; R14.1 41.4,22.35 ; 41.4,22.35 39.88,22.35 ; 44.45,21.35 44.46,21.36 44.46,22.35 ; U12.16 44.46,22.35 ; 39.88,21.35 39.88,22.35 ; 39.88,22.35 39.87,22.36 v1(38.98,22.36)
Net-(U12-REGOUT): length 2.6
  Bottom w0.254: U12.14 45.46,22.62 45.85,22.23 46.61,22.23 46.86,21.97 46.86,21.35

## Copper pours and planes (outline as drawn; the poured copper is in the pictures)
+3V3 on In2.Cu: 1.27,54.1 1.27,9.65 9.53,9.65 9.53,1.4 53.98,1.4 53.98,9.65 62.23,9.65 62.23,54.1 53.98,54.1 53.98,62.36 9.53,62.36 9.53,54.1
GND on In1.Cu: 8,1.4 55.02,1.42 55.02,5.33 57.43,8.08 62.23,8.08 62.23,54.1 53.98,54.1 53.98,62.36 9.53,62.36 9.53,54.1 1.27,54.1 1.27,8.13 5.84,8.13 8,6.35
GND2 on In1.Cu: 22.23,1.4 22.23,5.33 21.08,6.22 21.08,12.83 9.65,12.83 7.62,14.86 7.62,21.72 1.27,21.72 1.27,8.13 5.84,8.13 8,6.35 8,1.4
/Power Supply/V_{BAT_MON} on In2.Cu: 1.27,43.31 1.27,14.73 13.97,14.73 13.97,43.31

## Text on the board
Bottom: Cu LAYER 4
B.Mask: BOTTOM MASK
B.Paste: BOTTOM PASTE
B.Silkscreen: BOTTTOM SILK
Top: Cu LAYER 1
F.Fab: G
F.Mask: FRONT MASK
F.Paste: FRONT PASTE
F.Silkscreen: G | CAN / H / L | 3 PWM / 2 5V / 1 GND | CAN / L / H | Y | X | Z | FRONT SILK | GND | V_{BAT} | IMU-2X V3  2024 | +
In1.Cu: Cu LAYER 2
In2.Cu: Cu LAYER 3
User.1: 5 PLACES | F.Silkscreen | F.Paste | F.Mask | F.Cu | Dielectric | In1.Cu | In2.Cu | B.Cu | B.Mask | B.Paste | B.Silkscreen | Top Silk Screen | Top Solder Paste | Top Solder Mask | copper | prepreg | core | Bottom Solder Mask | Bottom Solder Paste | Bottom Silk Screen | Not specified | FR4 | 0 mils | 0.3937007874 mils | 1.377952756 mils | 3.93 mils | 48.81889764 mils | 3.937007874 mils | 1 | 3.3 | 4.5 | 0 | 0.02 | Copper Layer Count: | Board overall dimensions: | Min track/spacing: | Copper Finish: | Castellated pads: | Edge card connectors: | 4 | 2500.00 mils x 2500.00 mils | 10.00 mils / 7.80 mils | None | No | Board Thickness: | Min hole diameter: | Impedance Control: | Plated Board Edge: | 62.99 mils | 11.81 mils | Layer Name | Type | Material | Thickness (mils) | Color | Epsilon R | Loss Tangent | BOARD CHARACTERISTICS
User.2: FRONT | BACK
